# Altium PCB FMC_Breakout.PcbDoc (part 2 of 3)
Units mil, origin at the board's own origin, x right, y up, seen from the top; angles counter-clockwise.
Board outline 2749 x 2731 mil, 4 copper layers (Top Layer, GND, GND (Plane2), Bottom Layer), stack 18.11 mil thick; 9 components, 186 nets, 950 pads, 419 vias.
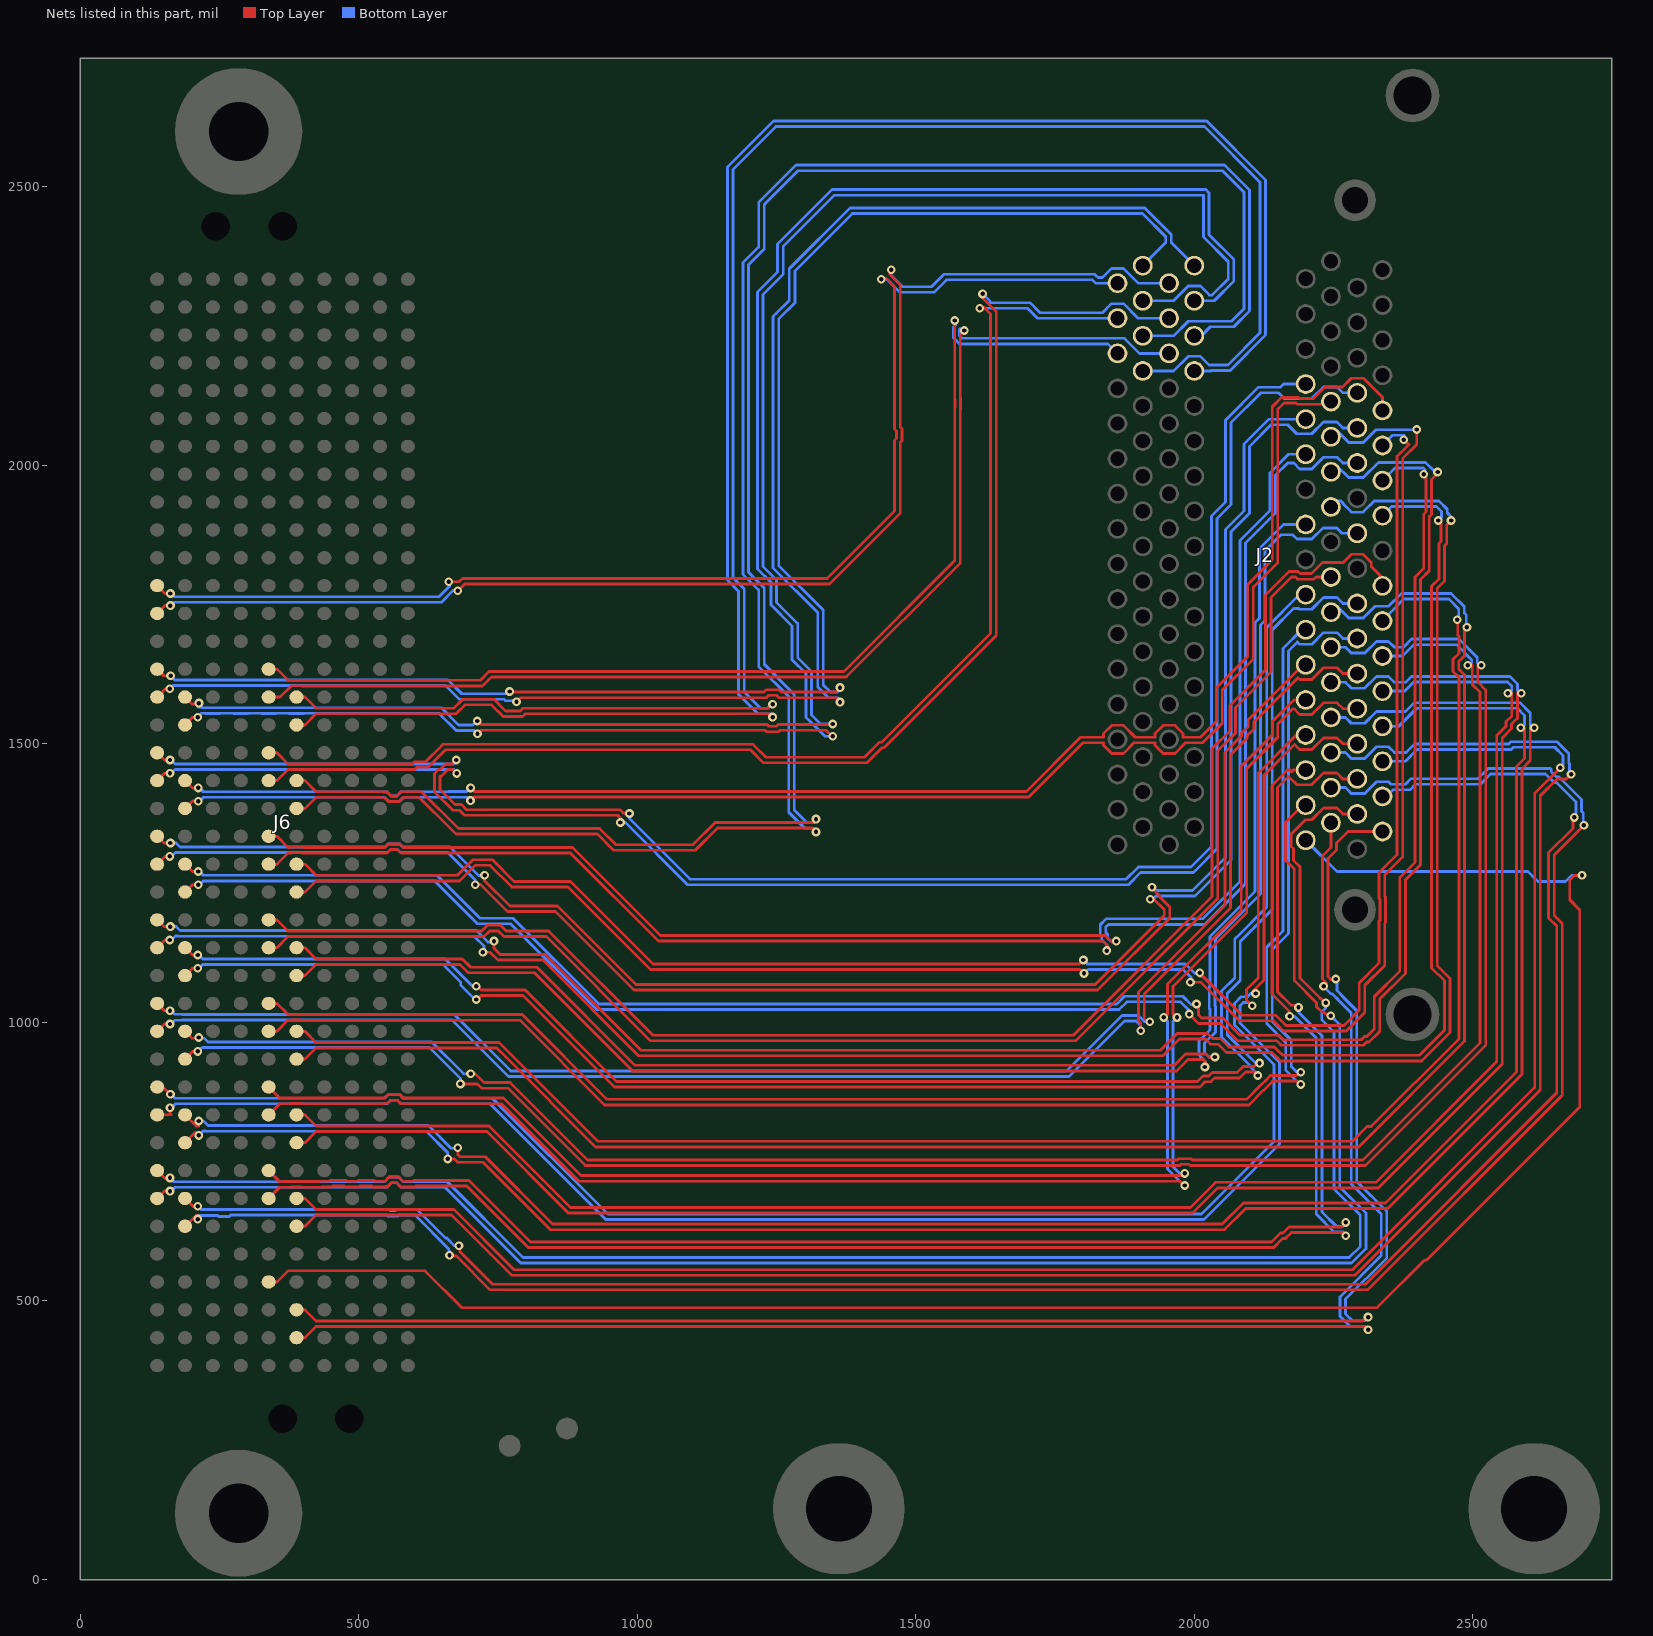
[diagram p4: the nets of this part, all layers, seen from the top]

## Via types
v1: diameter 15.75, hole 7.87, Top Layer to Bottom Layer, tented both sides, 419 vias

## Nets (pads, with @x,y where several pads share a name; then routed paths per layer and width w, separated by ;. In a path a pad name is that pad's centre, name@x,y a point inside that pad or via, vN(x,y) a via of type N, cw(c..) or ccw(c..) an arc to the next point about the centre after c; other vN are vias at no path point) (continued)
HA00_CC_P: J2.L1 J6.f4 | length 3510.3
  Top Layer w5: J6.f4@338.38,534.11 353.48,534.11 373.48,554.11 618.89,554.11 685,488 2328.21,488 2413.21,573 2416.04,573 2417.04,574 2417.94,574 2692,848.06 2692,1202.14 2674,1220.14 2674,1256 2682,1264 v1(2696,1264)
  Bottom Layer w5: J2.L1@2200,1326.99 2255.99,1271 2598.86,1271 2613.93,1255.93 2616.86,1253 2666.14,1253 2669.07,1255.93 2677.14,1264 v1(2696,1264)
HA01_CC_N: J2.L36 J6.e3 | length 2997.3
  Top Layer w5: J6.e3@388.38,484.11 403.48,484.11 423.48,464.11 2302,464.11 2308.89,471 v1(2312,471) ; 2245,1077.19 2240,1082.19 2240,1294.58 2255.28,1309.86 2255.28,1322.16 2275.86,1342.74 J2.L36@2337.8,1342.74
  Bottom Layer w5: v1(2254,1078) 2256.03,1075.97 2256.03,1057.27 2268.37,1044.92 2268.37,1044.39 2291.69,1021.07 2291.69,714.31 2345.63,660.37 2345.63,577.46 2271.41,503.25 2271.41,476.8 2283.6,464.62 2305.62,464.62 v1(2312,471)
HA01_CC_P: J2.L2 J6.e2 | length 2960
  Top Layer w5: J6.e2@388.38,434.11 403.48,434.11 423.48,454.11 2306.13,454.11 v1(2312,448.23) ; 2237.93,1070.12 2230,1078.05 2230,1298.72 2245.28,1314 J2.L2@2245.28,1358.49
  Bottom Layer w5: v1(2232.16,1064.75) 2245.54,1051.37 2247.25,1051.37 2248.25,1050.37 2248.78,1050.37 2258.37,1040.78 2258.37,1040.25 2281.69,1016.93 2281.69,710.16 2335.63,656.23 2335.63,581.6 2261.41,507.39 2261.41,472.66 2279.45,454.62 2305.62,454.62 v1(2312,448.23)
HA02_N: J2.L37 J6.k8 | length 3193
  Top Layer w5: J6.k8@138.38,734.11 151.5,720.98 v1(161.26,720.98) ; v1(2236,1035) 2240.33,1035 2237.17,1031.83 2236.55,1032.45 2236.55,1033.16 2226.96,1042.75 2226.25,1042.75 2189.58,1079.42 2189.58,1279.42 2178,1291 2178,1311.92 2173.78,1316.13 2173.78,1337.85 2199.7,1363.77 2210.86,1363.77 2231.8,1384.7 2256.13,1384.7 2266.6,1374.24 J2.L37@2292.52,1374.24
  Bottom Layer w5: v1(161.26,720.98) 168.13,714.11 543.22,714.11 543.91,714.79 547.17,714.79 554.75,722.37 572.01,722.37 579.59,714.79 580.09,714.79 580.78,714.11 659.03,714.11 795.14,578 2278,578 2298.07,598.07 2298.07,653.93 2251,701 2251,982.88 2228.67,1005.22 2228.67,1018.78 2236,1026.12 v1(2236,1035) ; v1@2238.01,1031.83 v1@2238.59,1032.41
HA02_P: J2.L3 J6.k7 | length 3131.1
  Top Layer w5: J6.k7@138.38,684.11 151.5,697.23 v1(161.26,697.23) ; J2.L3@2200,1389.98 2194.98,1389.98 2163.78,1358.78 2163.78,1291.07 2179.58,1275.28 2179.58,1075.28 2219.63,1035.23 2219.63,1028.22 2229.22,1018.63 2232.22,1018.63 2235.22,1015.63 2237.17,1015.63 2240.79,1012 v1(2245.04,1012)
  Bottom Layer w5: v1(161.26,697.23) 163.49,697.23 170.37,704.11 547.37,704.11 548.05,704.79 551.31,704.79 558.89,712.37 567.87,712.37 575.45,704.79 575.95,704.79 576.63,704.11 654.89,704.11 791,568 2282.14,568 2308.07,593.93 2308.07,658.07 2261,705.14 2261,996.04 v1(2245.04,1012)
HA03_N: J2.L38 J6.j7 | length 3603.9
  Top Layer w5: J6.j7@188.38,684.11 203,669.48 ; v1(680,599) 681.03,599 681.51,599.49 681.51,588.7 740.21,530 2307,530 2650.69,873.69 2650.69,1173.07 2636.08,1187.68 2636.08,1304.87 2679.63,1348.42 2679.63,1365.63 v1(2682,1368)
  Bottom Layer w5: v1@210,669.48 v1@211.52,669.48 ; v1(211,670) v1@211.52,669.48 ; v1(680,599) 672.26,599 658.19,613.07 656.07,613.07 605.03,664.11 567.25,664.11 565.14,662 556.86,662 554.75,664.11 216.89,664.11 v1@211.52,669.48 ; J2.L38@2337.8,1405.73 2345,1405.73 2356.83,1417.57 2387.21,1417.57 2397.21,1427.57 2513.57,1427.57 2532,1446 2630.7,1446 2646.08,1430.63 2650.37,1430.63 2685,1396 2685,1371 v1(2682,1368)
HA03_P: J2.L4 J6.j6 | length 3762.8
  Top Layer w5: J6.j6@188.38,634.11 207.9,653.63 210.1,653.63 211.27,652.46 v1(211.27,647) ; v1(663.14,582.14) 663.65,581.63 671.39,581.63 672.39,580.63 675.44,580.63 736.07,520 2311.14,520 2657.76,866.62 2660.69,869.55 2660.69,1177.21 2657.76,1180.14 2646.08,1191.83 2646.08,1300.72 v1(2699.38,1354.03)
  Bottom Layer w5: v1(211.27,647) 211.27,650 214.68,653.42 247.17,653.42 248.96,651.63 267.61,651.63 270.09,654.11 550.61,654.11 552.72,652 569.28,652 571.39,654.11 600.89,654.11 661.63,593.37 661.63,591.39 663.14,589.88 v1(663.14,582.14) ; J2.L4@2245.28,1421.48 2271.19,1421.48 2281.66,1411.01 2306,1411.01 2326.94,1431.95 2348.65,1431.95 2353.04,1427.57 2378.93,1427.57 2388.93,1437.57 2509.42,1437.57 2524.93,1453.07 2527.86,1456 2639.14,1456 2640.63,1454.52 2640.63,1450.22 2650.22,1440.63 2654.52,1440.63 2695,1400.14 2695,1379 2698.37,1375.63 2698.37,1355.03 v1(2699.38,1354.03)
HA04_N: J2.L39 J6.f8 | length 3039.8
  Top Layer w5: J6.f8@338.38,734.11 358.38,714.11 364,714.11 364.31,714.42 429.21,714.42 429.59,714.8 447.16,714.8 448.79,716.42 477.97,716.42 479.59,714.8 497.16,714.8 498.79,716.42 527.97,716.42 529.59,714.8 547.16,714.8 554.74,722.37 572.02,722.37 579.59,714.8 597.16,714.8 598.79,716.42 698.17,716.42 808.59,606 2138.53,606 2154.53,622 2159.05,622 2170.05,633 2264,633 v1(2272,641) ; v1(2187,1027) 2183,1031 2173.58,1031 2149.53,1055.05 2149.53,1421.39 2169.43,1441.29 2183.96,1426.76 2210.86,1426.76 2231.8,1447.7 2256.13,1447.7 2266.6,1437.23 J2.L39@2292.52,1437.23
  Bottom Layer w5: v1(2187,1027) 2187.49,1026.51 2187.49,1017.64 2229,976.14 2229,660 2254.89,634.11 2267,634.11 2272,639.11 v1(2272,641)
HA04_P: J2.L5 J6.f7 | length 2963.9
  Top Layer w5: J6.f7@338.38,684.11 358.38,704.11 378.87,704.11 379.18,704.42 397.58,704.42 397.89,704.11 433.04,704.11 433.73,704.8 451.31,704.8 452.93,706.42 473.83,706.42 475.45,704.8 501.31,704.8 502.93,706.42 523.83,706.42 525.45,704.8 551.31,704.8 558.88,712.37 567.87,712.37 575.45,704.8 601.31,704.8 602.93,706.42 694.03,706.42 804.45,596 2142.67,596 2158.67,612 2163.2,612 2174.2,623 2266,623 v1(2272,617) ; v1(2171.12,1011.01) 2171.12,1019.32 2139.53,1050.91 2139.53,1425.53 2167,1453 2171.86,1453 2174.79,1450.07 2177.7,1452.98 J2.L5@2200,1452.98
  Bottom Layer w5: v1(2171.12,1011.01) 2171.51,1010.63 2180.37,1010.63 2219,971.99 2219,655.86 2250.75,624.11 2267,624.11 2272,619.11 v1(2272,617)
HA05_N: J2.L40 J6.e7 | length 3369.1
  Top Layer w5: J6.e7@388.38,684.11 403.48,684.11 423.48,664.11 671.03,664.11 779.14,556 2284,556 2611,883 2611,1411 v1(2657,1457)
  Bottom Layer w5: J2.L40@2337.8,1468.72 2378.72,1468.72 2400,1490 2569,1490 2573,1494 2647,1494 2662,1479 2662,1462 v1(2657,1457)
HA05_P: J2.L6 J6.e6 | length 3523.1
  Top Layer w5: J6.e6@388.38,634.11 403.48,634.11 423.48,654.11 666.89,654.11 775,546 2288.14,546 2621,878.86 2621,1406.86 2651.07,1436.93 2667.69,1436.93 v1(2676.38,1445.62)
  Bottom Layer w5: J2.L6@2245.28,1484.47 2271.19,1484.47 2281.66,1474 2306,1474 2326.94,1494.94 2348.65,1494.94 2359.12,1484.47 2380.33,1484.47 2392.93,1497.07 2395.86,1500 2564.86,1500 2565.93,1501.07 2568.86,1504 2651.14,1504 2654.07,1501.07 2672,1483.14 2672,1466 2673.37,1464.63 2673.37,1448.63 v1(2676.38,1445.62)
HA06_N: J2.L41 J6.k11 | length 3090
  Top Layer w5: J6.k11@138.38,884.11 148.51,884.11 161.62,871 v1(162,871) ; v1(2110,1052) 2109,1052 2106,1055 2106,1057 2125,1076 2125,1443.72 2180.09,1498.8 2189.14,1489.75 2210.86,1489.75 2231.8,1510.69 2256.13,1510.69 2266.6,1500.22 J2.L41@2292.52,1500.22
  Bottom Layer w5: v1(162,871) 163.17,871 170.2,863.96 546.65,863.96 552.87,870.18 573.89,870.18 580.1,863.96 739.82,863.96 947.78,656 2013,656 2143,786 2143,924.16 2072,995.16 2072,1034.14 2083.86,1046 2095,1046 2101,1052 v1(2110,1052)
HA06_P: J2.L7 J6.k10 | length 3029.5
  Top Layer w5: J6.k10@138.38,834.11 163,834.11 161.26,835.85 v1(161.26,846.93) ; v1(2104,1030) 2093.63,1040.37 2093.63,1058.78 2115,1080.16 2115,1447.86 2183.11,1515.97 J2.L7@2200,1515.97
  Bottom Layer w5: v1@161,846.67 v1(161.26,846.93) 163.91,846.93 170.95,853.96 550.79,853.96 557.01,860.18 569.75,860.18 575.96,853.96 735.68,853.96 943.64,646 2017.14,646 2147.67,776.52 2153,781.86 2153,928.3 2082,999.3 2082,1030 2088,1036 2098,1036 v1(2104,1030)
HA07_N: J2.L42 J6.j10 | length 3519.8
  Top Layer w5: J6.j10@188.38,834.11 208.38,814.11 213,814.11 ; v1(678,775) 678,763.07 682.11,758.96 727.14,758.96 848.11,638 2050.14,638 2088.14,676 2343.16,676 2578.23,911.07 2578.23,1459.23 2593,1474 v1@2593,1529
  Bottom Layer w5: v1(213,823) 221.39,823 229.59,814.79 625.35,814.79 666.07,774.07 677.07,774.07 v1(678,775) ; J2.L42@2337.8,1531.72 2367.01,1531.72 2399.29,1564 2580.28,1564 2593,1551.28 2593,1534.11 2587.89,1529 v1(2586,1529)
HA07_P: J2.L8 J6.j9 | length 3644.2
  Top Layer w5: J6.j9@188.38,784.11 207.25,802.98 ; v1(660,755) 671.93,755 675.04,751.89 677.96,748.96 723,748.96 843.97,628 2054.28,628 2092.28,666 2347.3,666 2588.23,906.93 2588.23,1455.09 2603,1469.86 v1@2603,1529
  Bottom Layer w5: v1(213,797.23) 213.22,797.23 221.1,805.12 225.13,805.12 225.45,804.79 621.21,804.79 660,766 v1(660,755) ; J2.L8@2245.28,1547.46 2271.19,1547.46 2281.66,1537 2306,1537 2326.94,1557.93 2379.08,1557.93 2395.15,1574 2584.42,1574 2603,1555.42 2603,1534.11 2608.11,1529 v1(2610,1529)
HA08_N: J2.L43 J6.f11 | length 2794.4
  Top Layer w5: J6.f11@338.38,884.11 358.38,864.11 374.72,864.11 375.04,864.42 401.72,864.42 402.03,864.11 540.09,864.11 540.78,864.8 547.16,864.8 547.49,864.81 552.87,870.18 573.89,870.18 579.96,864.11 760.03,864.11 899.14,725 1979,725 v1(1983,729) ; v1(1969,1009) 1967,1009 1962,1014 1962,1064.77 2094.31,1197.08 2094.31,1456.28 2149.92,1511.89 2149.92,1535.86 2177.28,1563.21 2178.67,1563.21 2189.14,1552.74 2210.86,1552.74 2231.8,1573.68 2256.13,1573.68 2266.6,1563.21 J2.L43@2292.52,1563.21
  Bottom Layer w5: v1(1969,1009) 1962,1002 1962,741 1974,729 v1(1983,729)
HA08_P: J2.L9 J6.f10 | length 2726.5
  Top Layer w5: J6.f10@338.38,834.11 358.38,854.11 378.87,854.11 379.18,854.42 397.58,854.42 397.89,854.11 544.24,854.11 544.92,854.8 551.31,854.8 551.64,854.81 557.01,860.18 569.75,860.18 575.82,854.11 755.89,854.11 895,715 1973.84,715 1981.59,707.25 v1(1983,707.25) ; v1(1945,1009) 1947,1009 1952,1014 1952,1068.91 2084.31,1201.23 2084.31,1460.42 2139.92,1516.03 2139.92,1540 2178.88,1578.96 J2.L9@2200,1578.96
  Bottom Layer w5: v1(1945,1009) 1952,1002 1952,736.86 1960.93,727.93 ; 1960.93,727.91 1981.59,707.25 v1(1983,707.25)
HA09_N: J2.L44 J6.e10 | length 3262.8
  Top Layer w5: J6.e10@388.38,834.11 403.48,834.11 423.48,814.11 734.29,814.11 880.4,668 1992.86,668 2037.86,713 2326,713 2543,930 2543,1515.09 2559.63,1531.72 2559.63,1539.92 2570,1550.3 v1@2570,1591
  Bottom Layer w5: J2.L44@2337.8,1594.71 2377.71,1594.71 2394,1611 2562.56,1611 2570,1603.56 2570,1596 2565,1591 v1(2563,1591)
HA09_P: J2.L10 J6.e9 | length 3403.9
  Top Layer w5: J6.e9@388.38,784.11 403.48,784.11 423.48,804.11 730.15,804.11 876.25,658 1997,658 2042,703 2330.14,703 2553,925.86 2553,1510.95 2569.63,1527.57 2569.63,1535.78 2579.22,1545.37 2580,1545.37 v1@2580,1591
  Bottom Layer w5: J2.L10@2245.28,1610.46 2271.19,1610.46 2281.66,1599.99 2306,1599.99 2326.94,1620.93 2348.65,1620.93 2359.12,1610.46 2379.31,1610.46 2386.93,1618.07 2389.86,1621 2566.7,1621 2569.63,1618.07 2580,1607.7 2580,1596 2585,1591 v1(2587,1591)
HA10_N: J2.L45 J6.k14 | length 2738.7
  Top Layer w5: J6.k14@138.38,1034.11 151.5,1020.98 v1(161.26,1020.98) ; v1(1920.08,1001.08) 1918,999 1914,1003 1914,1003.25 1910,1007.25 1910,1050.61 2065,1205.61 2065,1480.46 2095,1510.46 2095,1515 2107,1527 2107,1539.53 2176.4,1608.93 2186.17,1618.7 2189.14,1615.74 2210.86,1615.74 2231.8,1636.67 2256.13,1636.67 2266.6,1626.2 J2.L45@2292.52,1626.2
  Bottom Layer w5: v1(161.26,1020.98) 163.49,1020.98 169.68,1014.79 183,1014.79 183.34,1014.45 671.69,1014.45 773.14,913 1770.86,913 1867.43,1009.57 1870.36,1012.5 1899.64,1012.5 1902.57,1009.57 1910.77,1001.37 1919.78,1001.37 v1(1920.08,1001.08)
HA10_P: J2.L11 J6.k13 | length 2655.5
  Top Layer w5: J6.k13@138.38,984.11 151.5,997.23 v1(161.26,997.23) ; v1(1904,985) 1904,994 1903.7,994.29 1903.7,999.41 1900,1003.11 1900,1054.75 2055,1209.75 2055,1484.6 2085,1514.6 2085,1519.14 2097,1531.14 2097,1543.68 2195.28,1641.95 J2.L11@2200,1641.95
  Bottom Layer w5: v1(161.26,997.23) 163.49,997.23 170.37,1004.11 183,1004.11 183.34,1004.45 667.55,1004.45 769,903 1775,903 1874.5,1002.5 1895.5,1002.5 1903.7,994.3 1903.7,985.3 v1(1904,985)
HA11_N: J2.L46 J6.j13 | length 3386.3
  Top Layer w5: J6.j13@188.38,984.11 200.74,971.75 v1@211.72,971.75 ; v1(701,908) 709,908 725,892 772,892 911,753 1969.7,753 1972.08,755.37 1993.92,755.37 1996.3,753 2303,753 2513,963 2513,1592.86 2499,1606.86 2499,1641
  Bottom Layer w5: v1@213,971.75 222.64,971.75 229.59,964.79 247.17,964.79 247.25,964.87 279.51,964.87 279.59,964.79 297.17,964.79 297.25,964.87 329.51,964.87 329.59,964.79 347.17,964.79 347.25,964.87 379.51,964.87 379.59,964.79 397.17,964.79 397.25,964.87 429.51,964.87 429.59,964.79 447.17,964.79 447.25,964.87 479.51,964.87 479.59,964.79 497.17,964.79 497.25,964.87 529.51,964.87 529.59,964.79 547.17,964.79 547.25,964.87 579.51,964.87 579.59,964.79 597.17,964.79 597.25,964.87 631.16,964.87 688.03,908 v1(701,908) ; J2.L46@2337.8,1657.7 2373.7,1657.7 2394.07,1678.07 2470.79,1678.07 2498,1650.86 2498,1645.89 2493.11,1641 v1(2491,1641)
  other v1: 213,973
HA11_P: J2.L12 J6.j12 | length 3534.5
  Top Layer w5: J6.j12@188.38,934.11 202.27,948 v1(211,948) ; v1(682.59,889.59) 713.27,889.59 717.93,884.93 720.86,882 767.86,882 906.86,743 1973.84,743 1976.22,745.37 1989.78,745.37 1992.16,743 2307.14,743 2523,958.86 2523,1597 2509,1611 v1@2509,1641
  Bottom Layer w5: v1(211,948) 217.63,954.63 220.61,954.63 220.86,954.87 225.37,954.87 225.45,954.79 251.31,954.79 251.39,954.87 275.37,954.87 275.45,954.79 301.31,954.79 301.39,954.87 325.37,954.87 325.45,954.79 351.31,954.79 351.39,954.87 375.37,954.87 375.45,954.79 401.31,954.79 401.39,954.87 425.37,954.87 425.45,954.79 451.31,954.79 451.39,954.87 475.37,954.87 475.45,954.79 501.31,954.79 501.39,954.87 525.37,954.87 525.45,954.79 551.31,954.79 551.39,954.87 575.37,954.87 575.45,954.79 601.31,954.79 601.39,954.87 627.02,954.87 682.59,899.31 v1(682.59,889.59) ; J2.L12@2245.28,1673.45 2271.19,1673.45 2281.66,1662.98 2306,1662.98 2326.94,1683.92 2348.65,1683.92 2359.12,1673.45 2375.3,1673.45 2389.92,1688.07 2474.93,1688.07 2508,1655 2508,1645.89 2512.89,1641 v1(2515,1641)
HA12_N: J2.L47 J6.f14 | length 2882.9
  Top Layer w5: J6.f14@338.38,1034.11 353.48,1034.11 372.69,1014.9 373.48,1014.11 374.72,1014.11 375.04,1014.42 421.69,1014.42 422,1014.11 793.64,1014.11 945.75,862 2093.86,862 2120.3,888.44 2120.78,888.44 2130.37,898.03 2130.37,898.52 2136.49,904.63 2183.72,904.63 2189.59,910.51 v1(2191,910.51)
  Bottom Layer w5: v1(2191,910.51) 2184.25,910.51 2174,920.76 2174,968 2140,1002 2140,1130.86 2169,1159.86 2169,1666.86 2185.01,1682.86 2189.14,1678.73 2210.86,1678.73 2231.8,1699.67 2256.13,1699.67 2266.6,1689.2 J2.L47@2292.52,1689.2
HA12_P: J2.L13 J6.f13 | length 2820
  Top Layer w5: J6.f13@338.38,984.11 353.48,984.11 373.48,1004.11 378.87,1004.11 379.18,1004.42 397.58,1004.42 397.89,1004.11 789.5,1004.11 941.61,852 2098,852 2124.44,878.44 2124.92,878.44 2140.37,893.89 2140.37,894.37 2140.63,894.63 2183.72,894.63 2185.51,892.84 2189.59,888.76 v1(2191,888.76)
  Bottom Layer w5: v1(2191,888.76) 2189.59,888.76 2164,914.35 2164,963.86 2130,997.86 2130,1135 2159,1164 2159,1671 2192.94,1704.94 J2.L13@2200,1704.94
HA13_N: J2.L48 J6.e13 | length 3188.6
  Top Layer w5: J6.e13@388.38,984.11 403.48,984.11 423.48,964.11 752.03,964.11 929.55,786.6 2283.6,786.6 2310,813 2317.53,813 2475,970.47 2475,1619.7 2464.63,1630.08 2464.63,1651.92 2475,1662.3 2475,1693.13 2473,1695.13 2473,1722 v1(2472,1723)
  Bottom Layer w5: J2.L48@2337.8,1720.69 2348.32,1731.22 2348.32,1732.32 2376.07,1760.07 2456.99,1760.07 2474.63,1742.44 2474.63,1725.63 v1(2472,1723)
HA13_P: J2.L14 J6.e12 | length 3331
  Top Layer w5: J6.e12@388.38,934.11 403.48,934.11 423.48,954.11 747.89,954.11 763.46,938.54 925.4,776.6 2295.27,776.6 2485,966.33 2485,1624.63 2484.22,1624.63 2474.63,1634.22 2474.63,1647.78 2484.22,1657.37 2485,1657.37 2485,1704.87 v1(2489.38,1709.25)
  Bottom Layer w5: J2.L14@2245.28,1736.44 2255.83,1747 2256.24,1747 2277.26,1725.97 2303.38,1725.97 2324.41,1747 2348.86,1747 2371.93,1770.07 2461.14,1770.07 2484.63,1746.58 2484.63,1735 2488.37,1731.25 2488.37,1710.26 v1(2489.38,1709.25)
HA14_N: J2.L49 J6.j16 | length 3063
  Top Layer w5: J6.j16@188.38,1134.11 201.5,1120.98 v1(211,1120.98) ; v1(711,1065) 713.24,1065 720.11,1058.13 799.02,1058.13 963.14,894 2005.86,894 2015.48,903.63 2025.78,903.63 2032.16,910 2076.95,910 2087.86,920.91 2106.94,920.91 2113.03,927 v1(2117,927)
  Bottom Layer w5: v1(211,1120.98) 213.24,1120.98 220.11,1114.11 655.42,1114.11 704.53,1065 v1(711,1065) ; v1(2117,927) 2110,927 2059.07,977.93 2059.07,1052.07 2082.57,1075.57 2082.57,1145.43 2140,1202.86 2140,1704.86 2178.07,1742.93 2187.93,1742.93 2189.14,1741.72 2210.86,1741.72 2231.8,1762.66 2256.13,1762.66 2266.6,1752.19 J2.L49@2292.52,1752.19
HA14_P: J2.L15 J6.j15 | length 3006.6
  Top Layer w5: J6.j15@188.38,1084.11 201.5,1097.23 v1(211,1097.23) ; v1(711,1041.25) 713.24,1041.25 720.11,1048.13 794.87,1048.13 959,884 2010,884 2019.63,893.63 2029.92,893.63 2036.3,900 2081.09,900 2092,910.91 2107.91,910.91 v1(2114,904.81)
  Bottom Layer w5: v1(211,1097.23) 213.24,1097.23 220.11,1104.11 651.28,1104.11 683.39,1072 683.39,1066.63 708.76,1041.25 v1(711,1041.25) ; v1(2114,904.81) 2114,906.84 2099.93,920.91 2099.93,922.93 2049.07,973.79 2049.07,1056.21 2072.57,1079.71 2072.57,1149.57 2075.5,1152.5 2130,1207 2130,1709 2188.94,1767.94 J2.L15@2200,1767.94
HA15_N: J2.L50 J6.f17 | length 2751.4
  Top Layer w5: J6.f17@338.38,1184.11 353.48,1184.11 373.48,1164.11 720.98,1164.11 731.25,1174.37 754.75,1174.37 765.02,1164.11 841.03,1164.11 1028.14,977 1782.86,977 2032,1226.14 2032,1491.3 2064,1523.3 2064,1569.14 2127.94,1633.08 2127.94,1767.08 2170.29,1809.43 2185.83,1809.43 2189.56,1805.71 2210.45,1805.71 2230.38,1825.65 2267.33,1825.65 2282.07,1840.4 2302.96,1840.4 2317.74,1825.63 2317.74,1818.26 2337.8,1798.2 J2.L50@2337.8,1783.69
HA15_P: J2.L16 J6.f16 | length 2609.8
  Top Layer w5: J6.f16@338.38,1134.11 353.48,1134.11 373.48,1154.11 725.12,1154.11 735.39,1164.37 750.61,1164.37 760.88,1154.11 836.89,1154.11 1024,967 1787,967 2042,1222 2042,1487.16 2074,1519.16 2074,1565 2137.94,1628.94 2137.94,1762.94 2174.43,1799.43 2181.69,1799.43 2185.41,1795.71 2214.59,1795.71 2218.31,1799.43 J2.L16@2245.28,1799.43
HA16_N: J2.L53 J6.e16 | length 2909
  Top Layer w5: J6.e16@388.38,1134.11 403.48,1134.11 423.48,1114.11 686,1114.11 701.11,1099 820.14,1099 996.14,923 1963.96,923 1984.38,943.42 2020.72,943.42 2027.07,937.07 2036.07,937.07 v1(2037,938)
  Bottom Layer w5: v1(2037,938) 2026.07,938 2018.54,945.54 2018.54,962.77 2038.07,982.3 2038.07,1028.07 2037,1029.14 2037,1059.7 2038.07,1060.77 2038.07,1149.9 2119,1230.83 2119,1713.56 2126.93,1721.49 2126.93,1846.79 2155.57,1875.43 2176.53,1875.43 2184.25,1867.7 2210.86,1867.7 2230.8,1887.64 2255.72,1887.64 2265.19,1878.17 J2.L53@2292.52,1878.17
HA16_P: J2.L19 J6.e15 | length 2821.3
  Top Layer w5: J6.e15@388.38,1084.11 403.48,1084.11 423.48,1104.11 681.86,1104.11 696.97,1089 816,1089 992,913 1968.1,913 1988.52,933.42 2016.58,933.42 2020,930 2020,921 v1(2019,920)
  Bottom Layer w5: v1(2019,920) 2019,930.93 2011.46,938.46 2008.54,941.39 2008.54,966.91 2028.07,986.45 2028.07,1023.93 2027,1025 2027,1063.84 2028.07,1064.91 2028.07,1154.04 2109,1234.97 2109,1717.7 2116.93,1725.63 2116.93,1850.93 2159.92,1893.92 J2.L19@2200,1893.92
HA17_CC_N: J2.L54 J6.k17 | length 3533
  Top Layer w5: J6.k17@138.38,1184.11 150.49,1172 v1(162,1172) ; v1(743,1146) 743,1133.07 754.07,1122 834.83,1122 1006.83,950 1939.14,950 1969.5,980.36 2023.94,980.36 2033.3,971 2047,971 2062,956 2143.58,956 2151.58,948 2152.14,948 2159.14,941 2404,941 2449,986 2449,1075.02 2426,1098.02 2426,1783.07 2439.25,1796.32 2439.25,1859.65 2443,1863.4 2443,1896.13 v1(2438.13,1901)
  Bottom Layer w5: v1(162,1172) 172.39,1172 179.59,1164.79 711.35,1164.79 732.07,1144.07 741.07,1144.07 v1(743,1146) ; J2.L54@2337.8,1909.67 2354.13,1926 2435,1926 2444,1917 2444,1906.87 v1(2438.13,1901)
HA17_CC_P: J2.L20 J6.k16 | length 3676.2
  Top Layer w5: J6.k16@138.38,1134.11 152.27,1148 v1(161,1148) ; v1(723,1126) 735.93,1126 749.93,1112 830.69,1112 1002.69,940 1943.28,940 1973.64,970.36 2019.8,970.36 2029.16,961 2042.86,961 2057.86,946 2139.44,946 2147.44,938 2148,938 2155,931 2408.14,931 2459,981.86 2459,1079.17 2436,1102.17 2436,1778.93 2449.25,1792.18 2449.25,1855.51 2453,1859.26 2453,1892.72 2461,1900.72 v1(2461,1901)
  Bottom Layer w5: v1(161,1148) 163.98,1148 170.98,1155 175.25,1155 175.45,1154.79 707.21,1154.79 725,1137 725,1128 v1(723,1126) ; J2.L20@2245.28,1925.42 2255.86,1936 2263.28,1936 2267.3,1931.98 2267.3,1930.72 2282.07,1915.95 2302.96,1915.95 2323.02,1936 2439.14,1936 2454,1921.14 2454,1915 2461,1908 v1(2461,1901)
HA18_N: J2.L56 J6.j19 | length 3426.5
  Top Layer w5: J6.j19@188.38,1284.11 201.5,1270.98 v1(212,1270.98) ; v1(2004,1033) 2007.37,1029.63 2007.37,1013.85 2013.08,1008.15 2051.23,1008.15 2082.37,977 2152.28,977 2160.28,969 2299.72,969 2305.34,974.63 2309.48,974.63 2323,988.14 2323,1046 2369,1092 2369,1260.28 2396,1287.28 2396,1799.14 2411.75,1814.89 2411.75,1911.92 2416,1916.17 2416,1980 v1(2412,1984)
  Bottom Layer w5: v1(212,1270.98) 214.24,1270.98 221.11,1264.11 640.8,1264.11 717.91,1187 777.14,1187 931.14,1033 1861,1033 1875,1047 1979.36,1047 1994.07,1032.29 2003.29,1032.29 v1(2004,1033) ; J2.L56@2337.8,1972.66 2360.43,1995.3 2411.05,1995.3 2414,1992.35 2414,1986 v1(2412,1984)
HA18_P: J2.L22 J6.j18 | length 3570.9
  Top Layer w5: J6.j18@188.38,1234.11 201.5,1247.23 v1(212,1247.23) ; v1(1991,1015) 2007.85,998.15 2047.09,998.15 2078.23,967 2148.13,967 2151.5,963.64 2156.13,959 2303.86,959 2309.48,964.63 2313.63,964.63 2333,984 2333,1041.86 2379,1087.86 2379,1256.13 2394.19,1271.32 2406,1283.13 2406,1795 2421.75,1810.75 2421.75,1907.78 2426,1912.03 2426,1974.84 2436.75,1985.59 v1(2436.75,1988)
  Bottom Layer w5: v1(212,1247.23) 214.24,1247.23 221.11,1254.11 636.66,1254.11 713.76,1177 773,1177 927,1023 1865.14,1023 1879.14,1037 1975.22,1037 1991,1021.22 v1(1991,1015) ; J2.L22@2245.28,1988.41 2256.04,1999.17 2277.26,1977.94 2303.38,1977.94 2330.74,2005.3 2415.19,2005.3 2432.49,1988 v1(2436.75,1988)
HA19_N: J2.L57 J6.f20 | length 2857.1
  Top Layer w5: J6.f20@338.38,1334.11 353.48,1334.11 373.48,1314.11 374.72,1314.11 375.04,1314.42 401.72,1314.42 402.03,1314.11 546.8,1314.11 552.87,1320.18 573.89,1320.18 579.96,1314.11 884.03,1314.11 1042.14,1156 1840.14,1156 1852.07,1144.07 1858.07,1144.07 v1(1860,1146)
  Bottom Layer w5: v1(1860,1146) 1850.07,1146 1844.04,1152.04 1844.04,1158.93 1841.11,1161.86 1841.11,1171.11 1846,1176 2019.14,1176 2022.07,1178.93 2092,1248.86 2092,1860.78 2146,1914.78 2146,1982.44 2167.72,2004.16 2178.67,2004.16 2189.14,1993.69 2210.86,1993.69 2231.8,2014.63 2256.13,2014.63 2266.6,2004.16 J2.L57@2292.52,2004.16
HA19_P: J2.L23 J6.f19 | length 2766.3
  Top Layer w5: J6.f19@338.38,1284.11 353.48,1284.11 373.48,1304.11 378.87,1304.11 379.18,1304.42 397.58,1304.42 397.89,1304.11 550.94,1304.11 557.01,1310.18 569.75,1310.18 575.82,1304.11 879.89,1304.11 1038,1146 1836,1146 1845,1137 1845,1131 v1(1843,1129)
  Bottom Layer w5: v1(1843,1129) 1843,1138.93 1836.96,1144.96 1834.04,1147.89 1834.04,1154.79 1831.11,1157.72 1831.11,1175.25 1841.86,1186 2015,1186 2082,1253 2082,1864.92 2136,1918.92 2136,1986.58 2169.33,2019.91 J2.L23@2200,2019.91
HA20_N: J2.L58 J6.e19 | length 3193.1
  Top Layer w5: J6.e19@388.38,1284.11 403.48,1284.11 423.48,1264.11 677.11,1264.11 705,1292 740.07,1292 779.07,1253 880.14,1253 1028.14,1105 1794,1105 v1(1801,1112) ; v1(2010,1089) 2010,1082 2016.14,1082 2085.14,1013 2145.98,1013 2164.34,994.64 2268.64,994.64 2296.09,1022.09 2296.09,1070.91 2331.8,1106.61 2331.8,1181.9 2333.48,1183.59 2333.48,1220.79 2331.8,1222.48 2331.8,1268.94 2364.01,1301.15 2364.01,2016.15 2368.93,2021.07 2385.17,2037.32 ; v1(2375.99,2046.13) 2383,2039.12 2383,2037.32
  Bottom Layer w5: v1(1801,1112) 1808,1105 1984.14,1105 2001.07,1088.07 2009.07,1088.07 v1(2010,1089) ; J2.L58@2337.8,2035.65 2356.14,2054 2377,2054 2377,2047.14 v1(2375.99,2046.13)
HA20_P: J2.L24 J6.e18 | length 3350.6
  Top Layer w5: J6.e18@388.38,1234.11 403.48,1234.11 423.48,1254.11 681.25,1254.11 709.14,1282 735.93,1282 774.93,1243 876,1243 1024,1095 1795,1095 v1(1802,1088) ; v1(1993,1072) 2012,1072 2081,1003 2141.83,1003 2160.2,984.64 2272.78,984.64 2306.09,1017.95 2306.09,1066.77 2342,1102.67 2342,1106 2341.8,1106.2 2341.8,1177.76 2343.48,1179.45 2343.48,1224.93 2341.8,1226.62 2341.8,1264.8 2363,1286 2374.01,1297.01 2374.01,2012.01 2399.32,2037.32 v1(2399.32,2064.38)
  Bottom Layer w5: v1(1802,1088) 1809,1095 1980,1095 1994,1081 1994,1073 v1(1993,1072) ; J2.L24@2245.28,2051.4 2256.04,2062.16 2277.26,2040.93 2303.38,2040.93 2326.45,2064 2398.94,2064 v1(2399.32,2064.38)
HA21_N: J2.L59 J6.k20 | length 3183.6
  Top Layer w5: J6.k20@138.38,1334.11 150.49,1322 v1(162,1322) ; v1(726,1264) 726,1254.42 771.42,1209 857.14,1209 998.14,1068 1822.16,1068 1946,1191.84 1946,1203 1928,1221 v1(1921,1221)
  Bottom Layer w5: v1(162,1322) 172.39,1322 179.59,1314.79 197.17,1314.79 197.37,1315 229.39,1315 229.59,1314.79 247.17,1314.79 247.37,1315 279.39,1315 279.59,1314.79 297.17,1314.79 297.37,1315 329.39,1315 329.59,1314.79 347.17,1314.79 347.37,1315 379.39,1315 379.59,1314.79 397.17,1314.79 397.37,1315 429.39,1315 429.59,1314.79 447.17,1314.79 447.37,1315 479.39,1315 479.59,1314.79 497.17,1314.79 497.37,1315 529.39,1315 529.59,1314.79 547.17,1314.79 547.37,1315 547.69,1315 552.87,1320.18 573.89,1320.18 579.07,1315 579.39,1315 579.59,1314.79 597.17,1314.79 597.37,1315 664.14,1315 715.14,1264 v1(726,1264) ; v1(1921,1221) 1925.41,1221 1931.28,1226.87 2001.02,1226.87 2066,1291.86 2066,1880.86 2099.22,1914.08 2099.22,2034.08 2138.04,2072.9 2167.78,2072.9 2184,2056.68 2210.86,2056.68 2231.8,2077.62 2256.13,2077.62 2266.6,2067.15 J2.L59@2292.52,2067.15
HA21_P: J2.L25 J6.k19 | length 3105.5
  Top Layer w5: J6.k19@138.38,1284.11 152.27,1298 v1(161,1298) ; v1(709.35,1247.35) 718.93,1247.35 767.28,1199 853,1199 994,1058 1826.3,1058 1956,1187.7 1956,1207.14 1938.07,1225.07 1938.07,1227.09 1924,1241.16 v1(1924,1242.75)
  Bottom Layer w5: v1(161,1298) 163.98,1298 170.98,1305 175.25,1305 175.45,1304.79 201.31,1304.79 201.52,1305 225.25,1305 225.45,1304.79 251.31,1304.79 251.52,1305 275.25,1305 275.45,1304.79 301.31,1304.79 301.52,1305 325.25,1305 325.45,1304.79 351.31,1304.79 351.52,1305 375.25,1305 375.45,1304.79 401.31,1304.79 401.52,1305 425.25,1305 425.45,1304.79 451.31,1304.79 451.52,1305 475.25,1305 475.45,1304.79 501.31,1304.79 501.52,1305 525.25,1305 525.45,1304.79 551.31,1304.79 551.52,1305 551.83,1305 557.01,1310.18 569.75,1310.18 574.92,1305 575.25,1305 575.45,1304.79 601.31,1304.79 601.52,1305 660,1305 709.35,1255.65 v1(709.35,1247.35) ; v1(1924,1242.75) 1929.87,1236.87 1996.87,1236.87 2056,1296 2056,1885 2089.22,1918.22 2089.22,2038.22 2133.9,2082.9 J2.L25@2200,2082.9
HA22_N: J2.L60 J6.j22 | length 2834.9
  Top Layer w5: J6.j22@188.38,1434.11 201.5,1420.98 v1(212,1420.98) ; v1(701,1421) 707.38,1414.62 1698.65,1414.62 1796.03,1512 1836.99,1512 1836.99,1518.54 1851.76,1533.31 1872.65,1533.31 1893.96,1512 1929.51,1512 1929.51,1518.54 1944.28,1533.31 1965.17,1533.31 1979.94,1518.54 1979.94,1512 2010.85,1512 2040.14,1541.29 2040.14,1600.68 2096,1656.54 2096,1786 2140,1830 2140,2105.14 2156.86,2122 2186.81,2122 2189.14,2119.67 2213.48,2119.67 2234.42,2140.61 2265.91,2140.61 2281.66,2156.36 2303.64,2156.36 2337.8,2122.2 J2.L60@2337.8,2098.65
  Bottom Layer w5: v1(212,1420.98) 214.24,1420.98 221.11,1414.11 549.15,1414.11 549.84,1413.42 551.31,1413.42 558.1,1406.63 568.66,1406.63 575.45,1413.42 576.16,1413.42 576.85,1414.11 661,1414.11 661.5,1414.61 694.61,1414.61 v1(701,1421)
HA22_P: J2.L26 J6.j21 | length 2681
  Top Layer w5: J6.j21@188.38,1384.11 201.5,1397.23 v1(212,1397.23) ; v1(700.7,1398.23) 707.08,1404.62 1702.79,1404.62 1800.17,1502 1836.99,1502 1836.99,1497.65 1851.76,1482.88 1872.65,1482.88 1891.77,1502 1929.51,1502 1929.51,1497.65 1944.28,1482.88 1965.17,1482.88 1984.29,1502 2015,1502 2050.14,1537.15 2050.14,1596.54 2106,1652.4 2106,1781.86 2150,1825.86 2150,2101 2161,2112 2182.67,2112 2185,2109.67 2240.56,2109.67 J2.L26@2245.28,2114.39
  Bottom Layer w5: v1(212,1397.23) 214.24,1397.23 221.11,1404.11 545.01,1404.11 545.7,1403.42 547.17,1403.42 553.96,1396.63 572.8,1396.63 579.59,1403.42 580.3,1403.42 580.99,1404.11 694.83,1404.11 v1(700.7,1398.23)
HA23_N: J2.L61 J6.k23 | length 3177.9
  Top Layer w5: J6.k23@138.38,1484.11 151.5,1470.98 v1(161.26,1470.98) ; v1(675,1471) 668,1464 655.86,1464 646,1454.14 643.39,1454.14 636,1446.75 636,1413.86 668.86,1381 680.64,1381 689.78,1371.86 965.14,1371.86 969.85,1367.15 v1(969.85,1358.85)
  Bottom Layer w5: v1(161.26,1470.98) 163.49,1470.98 170.37,1464.11 670,1464.11 675,1469.11 v1(675,1471) ; v1(969.85,1358.85) 978.93,1358.85 1090.61,1247.16 1881.93,1247.16 1903.69,1268.93 1998.07,1268.93 2001,1271.86 2040.94,1311.8 2040.94,1904.8 2066,1929.86 2066,2076.73 2119.63,2130.36 2150.93,2130.36 2161.62,2119.67 2210.86,2119.67 2231.8,2140.61 2256.13,2140.61 2266.6,2130.14 J2.L61@2292.52,2130.14
HA23_P: J2.L27 J6.k22 | length 3039.8
  Top Layer w5: J6.k22@138.38,1434.11 151.5,1447.23 v1(161.26,1447.23) ; v1(676,1447) 669,1454 660,1454 648.61,1442.61 646,1442.61 646,1418 673,1391 684.78,1391 693.92,1381.86 969.28,1381.86 975.07,1376.07 984.93,1376.07 v1(986,1375)
  Bottom Layer w5: v1(161.26,1447.23) 163.49,1447.23 170.37,1454.11 671,1454.11 676,1449.11 v1(676,1447) ; v1(986,1375) 986,1365.92 1094.75,1257.16 1877.79,1257.16 1899.55,1278.93 1993.93,1278.93 2030.94,1315.94 2030.94,1908.94 2056,1934 2056,2080.87 2115.49,2140.36 2155.07,2140.36 2160.6,2145.89 J2.L27@2200,2145.89
HB00_CC_N: J2.U35 J6.k26 | length 2876.7
  Top Layer w5: J6.k26@138.38,1634.11 150.11,1622.37 v1(162.35,1622.37) ; v1(771,1594) 772,1593 1227.7,1593 1232.08,1597.37 1253.92,1597.37 1258.3,1593 1356,1593 v1(1364,1601)
  Bottom Layer w5: v1(162.35,1622.37) 169.85,1614.87 179.51,1614.87 179.59,1614.79 197.17,1614.79 197.25,1614.87 229.51,1614.87 229.59,1614.79 247.17,1614.79 247.25,1614.87 279.51,1614.87 279.59,1614.79 297.17,1614.79 297.25,1614.87 329.51,1614.87 329.59,1614.79 347.17,1614.79 347.25,1614.87 379.51,1614.87 379.59,1614.79 397.17,1614.79 397.25,1614.87 429.51,1614.87 429.59,1614.79 447.17,1614.79 447.25,1614.87 479.51,1614.87 479.59,1614.79 497.17,1614.79 497.25,1614.87 529.51,1614.87 529.59,1614.79 547.17,1614.79 547.25,1614.87 579.51,1614.87 579.59,1614.79 597.17,1614.79 597.25,1614.87 660.13,1614.87 685,1590 767,1590 v1(771,1594) ; v1(1364,1601) 1364,1598 1359,1593 1347,1593 1334,1606 1334,1740.02 1253.92,1820.1 1253.92,2262.78 1283,2291.86 1283,2348.86 1386.21,2452.07 1906.96,2452.07 1948.74,2410.29 1948.74,2399.75 J2.U35@1907.48,2358.49
HB00_CC_P: J2.U1 J6.k25 | length 2929.7
  Top Layer w5: J6.k25@138.38,1584.11 153.27,1599 v1(161,1599) ; v1@783.45,1575.69 790.76,1583 1231.84,1583 1236.22,1587.37 1249.78,1587.37 1254.16,1583 1356,1583 v1(1364,1575)
  Bottom Layer w5: v1(161,1599) 166.79,1604.79 209.92,1604.79 210,1604.87 225.37,1604.87 225.45,1604.79 251.31,1604.79 251.39,1604.87 275.37,1604.87 275.45,1604.79 301.31,1604.79 301.39,1604.87 325.37,1604.87 325.45,1604.79 351.31,1604.79 351.39,1604.87 375.37,1604.87 375.45,1604.79 401.31,1604.79 401.39,1604.87 425.37,1604.87 425.45,1604.79 451.31,1604.79 451.39,1604.87 475.37,1604.87 475.45,1604.79 501.31,1604.79 501.39,1604.87 525.37,1604.87 525.45,1604.79 551.31,1604.79 551.39,1604.87 575.37,1604.87 575.45,1604.79 601.31,1604.79 601.39,1604.87 655.98,1604.87 680.86,1580 760.88,1580 763.25,1577.63 781.37,1577.63 v1(783.38,1575.62) ; v1(1364,1575) 1364,1578 1359,1583 1342.86,1583 1324,1601.86 1324,1735.88 1243.92,1815.96 1243.92,2266.92 1249.44,2272.44 1273,2296 1273,2353 1382.07,2462.07 1911.1,2462.07 1958.74,2414.43 1958.74,2399.75 J2.U1@2000,2358.49
HB01_N: J2.U37 J6.j25 | length 3276.9
  Top Layer w5: J6.j25@188.38,1584.11 200.74,1571.75 v1@211.72,1571.75 ; v1(713,1541) 719.44,1534.56 1233.41,1534.56 1236.22,1531.75 1249.78,1531.75 1252.59,1534.56 1349.91,1534.56 v1(1351,1535.65)
  Bottom Layer w5: v1@211.72,1571.75 211.72,1566.37 218.61,1566.37 220.11,1564.87 229.51,1564.87 229.59,1564.79 247.17,1564.79 247.25,1564.87 279.51,1564.87 279.59,1564.79 297.17,1564.79 297.25,1564.87 329.51,1564.87 329.59,1564.79 347.17,1564.79 347.25,1564.87 379.51,1564.87 379.59,1564.79 397.17,1564.79 397.25,1564.87 429.51,1564.87 429.59,1564.79 447.17,1564.79 447.25,1564.87 479.51,1564.87 479.59,1564.79 497.17,1564.79 497.25,1564.87 529.51,1564.87 529.59,1564.79 547.17,1564.79 547.25,1564.87 579.51,1564.87 579.59,1564.79 597.17,1564.79 597.25,1564.87 648.43,1564.87 679.3,1534 704.76,1534 711.76,1541 v1(713,1541) ; v1(1351,1535.65) 1329,1535.65 1313,1551.65 1313,1630.2 1288,1655.2 1288,1715.98 1250,1753.98 1250,1794.33 1226,1818.33 1226,2306.86 1262,2342.86 1262,2393 1354,2485 2016.59,2485 2016.59,2409.78 2061,2365.38 2061,2334.75 2031.75,2305.5 2027.08,2305.5 2010.86,2321.71 1989.14,2321.71 1962.92,2295.5 J2.U37@1907.48,2295.5
  other v1: 213.22,1573.25
HB01_P: J2.U3 J6.j24 | length 3238.9
  Top Layer w5: J6.j24@188.38,1534.11 202.27,1548 v1(211,1548) ; v1(713.27,1518.13) 719.71,1524.56 1229.26,1524.56 1232.08,1521.75 1253.92,1521.75 1256.74,1524.56 1338.93,1524.56 1349.59,1513.91 v1(1351,1513.91)
  Bottom Layer w5: v1(211,1548) 217.87,1554.87 225.37,1554.87 225.45,1554.79 251.31,1554.79 251.39,1554.87 275.37,1554.87 275.45,1554.79 301.31,1554.79 301.39,1554.87 325.37,1554.87 325.45,1554.79 351.31,1554.79 351.39,1554.87 375.37,1554.87 375.45,1554.79 401.31,1554.79 401.39,1554.87 425.37,1554.87 425.45,1554.79 451.31,1554.79 451.39,1554.87 475.37,1554.87 475.45,1554.79 501.31,1554.79 501.39,1554.87 525.37,1554.87 525.45,1554.79 551.31,1554.79 551.39,1554.87 575.37,1554.87 575.45,1554.79 601.31,1554.79 601.39,1554.87 644.29,1554.87 675.16,1524 707.4,1524 v1(713.27,1518.13) ; v1(1351,1513.91) 1336.61,1513.91 1309,1541.51 1303,1547.51 1303,1626.06 1278,1651.06 1278,1711.83 1240,1749.83 1240,1790.18 1216,1814.18 1216,2311 1252,2347 1252,2397.14 1349.86,2495 2020.74,2495 2026.59,2489.14 2026.59,2413.93 2071,2369.52 2071,2330.61 2035.89,2295.5 J2.U3@2000,2295.5
HB02_N: J2.U38 J6.f23 | length 2273.4
  Top Layer w5: J6.f23@338.38,1484.11 353.48,1484.11 373.48,1464.11 596.48,1464.11 600.37,1468 620,1468 648.54,1496.54 651.46,1499.46 1207.64,1499.46 1210.57,1496.54 1231.1,1476 1407.86,1476 1434.96,1503.1 1439.1,1503.1 1634.35,1698.35 1634.35,2271.86 1623,2283.21 1616.21,2283.21 v1(1615,2282)
  Bottom Layer w5: v1(1615,2282) 1700.73,2282 1710.86,2271.87 1718.73,2264 J2.U38@1862.2,2264
HB02_P: J2.U4 J6.f22 | length 2424.7
  Top Layer w5: J6.f22@338.38,1434.11 353.48,1434.11 373.48,1454.11 600.62,1454.11 604.51,1458 624.14,1458 655.61,1489.46 1203.5,1489.46 1226.96,1466 1412,1466 1439.1,1493.1 1443.25,1493.1 1644.35,1694.21 1644.35,2276 1620,2300.35 v1(1620,2307.75)
  Bottom Layer w5: v1(1620,2307.75) 1633,2294.75 1633,2292 1704.87,2292 1722.87,2274 1835.13,2274 1851.35,2290.22 1873.06,2290.22 1899.28,2264 J2.U4@1954.72,2264
HB03_N: J2.U39 J6.e22 | length 3502.8
  Top Layer w5: J6.e22@388.38,1434.11 403.48,1434.11 423.48,1414.11 544.24,1414.11 544.92,1413.42 551.31,1413.42 558.1,1406.63 568.66,1406.63 575.45,1413.42 576.16,1413.42 576.85,1414.11 612.89,1414.11 679,1348 932.61,1348 961.5,1319.12 1100.01,1319.12 1140,1359.11 1315.11,1359.11 v1(1321,1365)
  Bottom Layer w5: v1(1321,1365) 1321,1363.49 1316,1358.49 1304.86,1358.49 1282,1381.35 1282,1589 1228,1643 1228,1780.14 1200,1808.14 1200,2360.03 1228,2388.03 1228,2468 1289,2529 2050.14,2529 2089,2490.14 2089,2281 2066.72,2258.72 1989.14,2258.72 1962.92,2232.5 J2.U39@1907.48,2232.5
HB03_P: J2.U5 J6.e21 | length 3472.9
  Top Layer w5: J6.e21@388.38,1384.11 403.48,1384.11 423.48,1404.11 540.09,1404.11 540.78,1403.42 547.16,1403.42 553.96,1396.63 572.8,1396.63 579.59,1403.42 580.3,1403.42 580.99,1404.11 608.75,1404.11 663.75,1349.11 674.86,1338 928.47,1338 957.35,1309.12 1104.15,1309.12 1144.14,1349.11 1313.73,1349.11 1320.84,1342 v1(1321,1342)
  Bottom Layer w5: v1(1321,1342) 1321,1343.49 1316,1348.49 1300.72,1348.49 1272,1377.2 1272,1584.86 1218,1638.86 1218,1776 1190,1804 1190,2364.17 1218,2392.17 1218,2472.14 1284.86,2539 2054.28,2539 2099,2494.28 2099,2276.86 2070.86,2248.72 2028.72,2248.72 2012.5,2232.5 J2.U5@2000,2232.5
HB04_N: J2.U40 J6.f26 | length 2099.5
  Top Layer w5: J6.f26@338.38,1634.11 353.48,1634.11 373.17,1614.42 401.72,1614.42 402.03,1614.11 718.36,1614.11 734.25,1630 1371,1630 1570,1829 1570,2103.84 1570.37,2104.22 1570.37,2117.78 1570,2118.16 1570,2201 v1(1570,2260)
  Bottom Layer w5: v1(1570,2260) 1571.93,2258.07 1571.93,2251.81 1570.93,2250.81 1568,2247.88 1568,2228.86 1570.93,2225.93 1578.86,2218 1845.21,2218 J2.U40@1862.2,2201.01
HB04_P: J2.U6 J6.f25 | length 2173.2
  Top Layer w5: J6.f25@338.38,1584.11 358.87,1584.11 379.18,1604.42 397.58,1604.42 397.89,1604.11 722.5,1604.11 738.39,1620 1375.14,1620 1580,1824.86 1580,2099.7 1580.37,2100.08 1580.37,2121.92 1580,2122.3 1580,2235 v1(1587,2242)
  Bottom Layer w5: v1(1587,2242) 1584.26,2244.74 1579,2244.74 1578,2243.74 1578,2233 1583,2228 1874.91,2228 1901.9,2201.01 J2.U6@1954.72,2201.01
HB05_N: J2.U41 J6.e25 | length 3436.2
  Top Layer w5: J6.e25@388.38,1584.11 403.48,1584.11 423.48,1564.11 670.82,1564.11 686.82,1580.11 742.89,1580.11 763.75,1559.25 790.16,1559.25 795.02,1564.11 1235.83,1564.11 1242.72,1571 v1(1243,1571)
  Bottom Layer w5: v1(1243,1571) 1241,1571 1234,1564 1221.25,1564 1192.07,1593.18 1192.07,1778.07 1172,1798.14 1172,2531.14 1248.86,2608 2018.23,2608 2118,2508.23 2118,2238 2060.37,2180.37 2026.22,2180.37 2010.86,2195.73 1989.14,2195.73 1962.92,2169.51 J2.U41@1907.48,2169.51
HB05_P: J2.U7 J6.e24 | length 3392.3
  Top Layer w5: J6.e24@388.38,1534.11 403.48,1534.11 423.48,1554.11 674.97,1554.11 690.97,1570.11 738.75,1570.11 759.61,1549.25 794.3,1549.25 799.16,1554.11 1237.02,1554.11 v1(1243,1548.13)
  Bottom Layer w5: v1(1243,1548.13) 1237.13,1554 1217.11,1554 1185,1586.11 1182.07,1589.03 1182.07,1773.93 1162,1794 1162,2535.28 1244.72,2618 2022.37,2618 2128,2512.37 2128,2233.86 2064.51,2170.37 2030.37,2170.37 2029.51,2169.51 J2.U7@2000,2169.51
HB06_CC_N: J2.U36 J6.k29 | length 2284.2
  Top Layer w5: J6.k29@138.38,1784.11 152.5,1769.98 v1(162,1769.98) ; v1(661.85,1790.87) 662.12,1791.15 680.44,1791.15 683.36,1794.07 686.29,1797 1341,1797 1462,1918 1462,2044.84 1465.37,2048.22 1465.37,2061.78 1462,2065.16 1462,2320.58 1446.58,2336 1440,2336 v1(1438,2334)
  Bottom Layer w5: v1(162,1769.98) 163.41,1769.98 169.28,1764.11 644.11,1764.11 663,1783 663,1789.72 v1(661.85,1790.87) ; v1(1438,2334) 1448.43,2334 1471.85,2310.58 1532.72,2310.58 1555.14,2333 1817,2333 1823.01,2326.99 J2.U36@1862.2,2326.99
HB06_CC_P: J2.U2 J6.k28 | length 2404.3
  Top Layer w5: J6.k28@138.38,1734.11 152.5,1748.23 v1(162,1748.23) ; v1(677.95,1774.78) 678.21,1774.78 690.43,1787 1345.14,1787 1472,1913.86 1472,2040.7 1475.37,2044.08 1475.37,2065.92 1472,2069.3 1472,2324.72 1453.65,2343.07 1453.65,2348.65 v1(1456,2351)
  Bottom Layer w5: v1(162,1748.23) 163.41,1748.23 169.28,1754.11 648.25,1754.11 670.07,1775.93 676.79,1775.93 v1(677.95,1774.78) ; v1(1456,2351) 1456,2340.57 1475.99,2320.58 1528.58,2320.58 1551,2343 1821.14,2343 1824.07,2340.07 1827.15,2336.99 1835.13,2336.99 1851.35,2353.21 1873.06,2353.21 1899.28,2326.99 J2.U2@1954.72,2326.99